# KiCad board PANEL5x4_COM_MOD.kicad_pcb (continued)
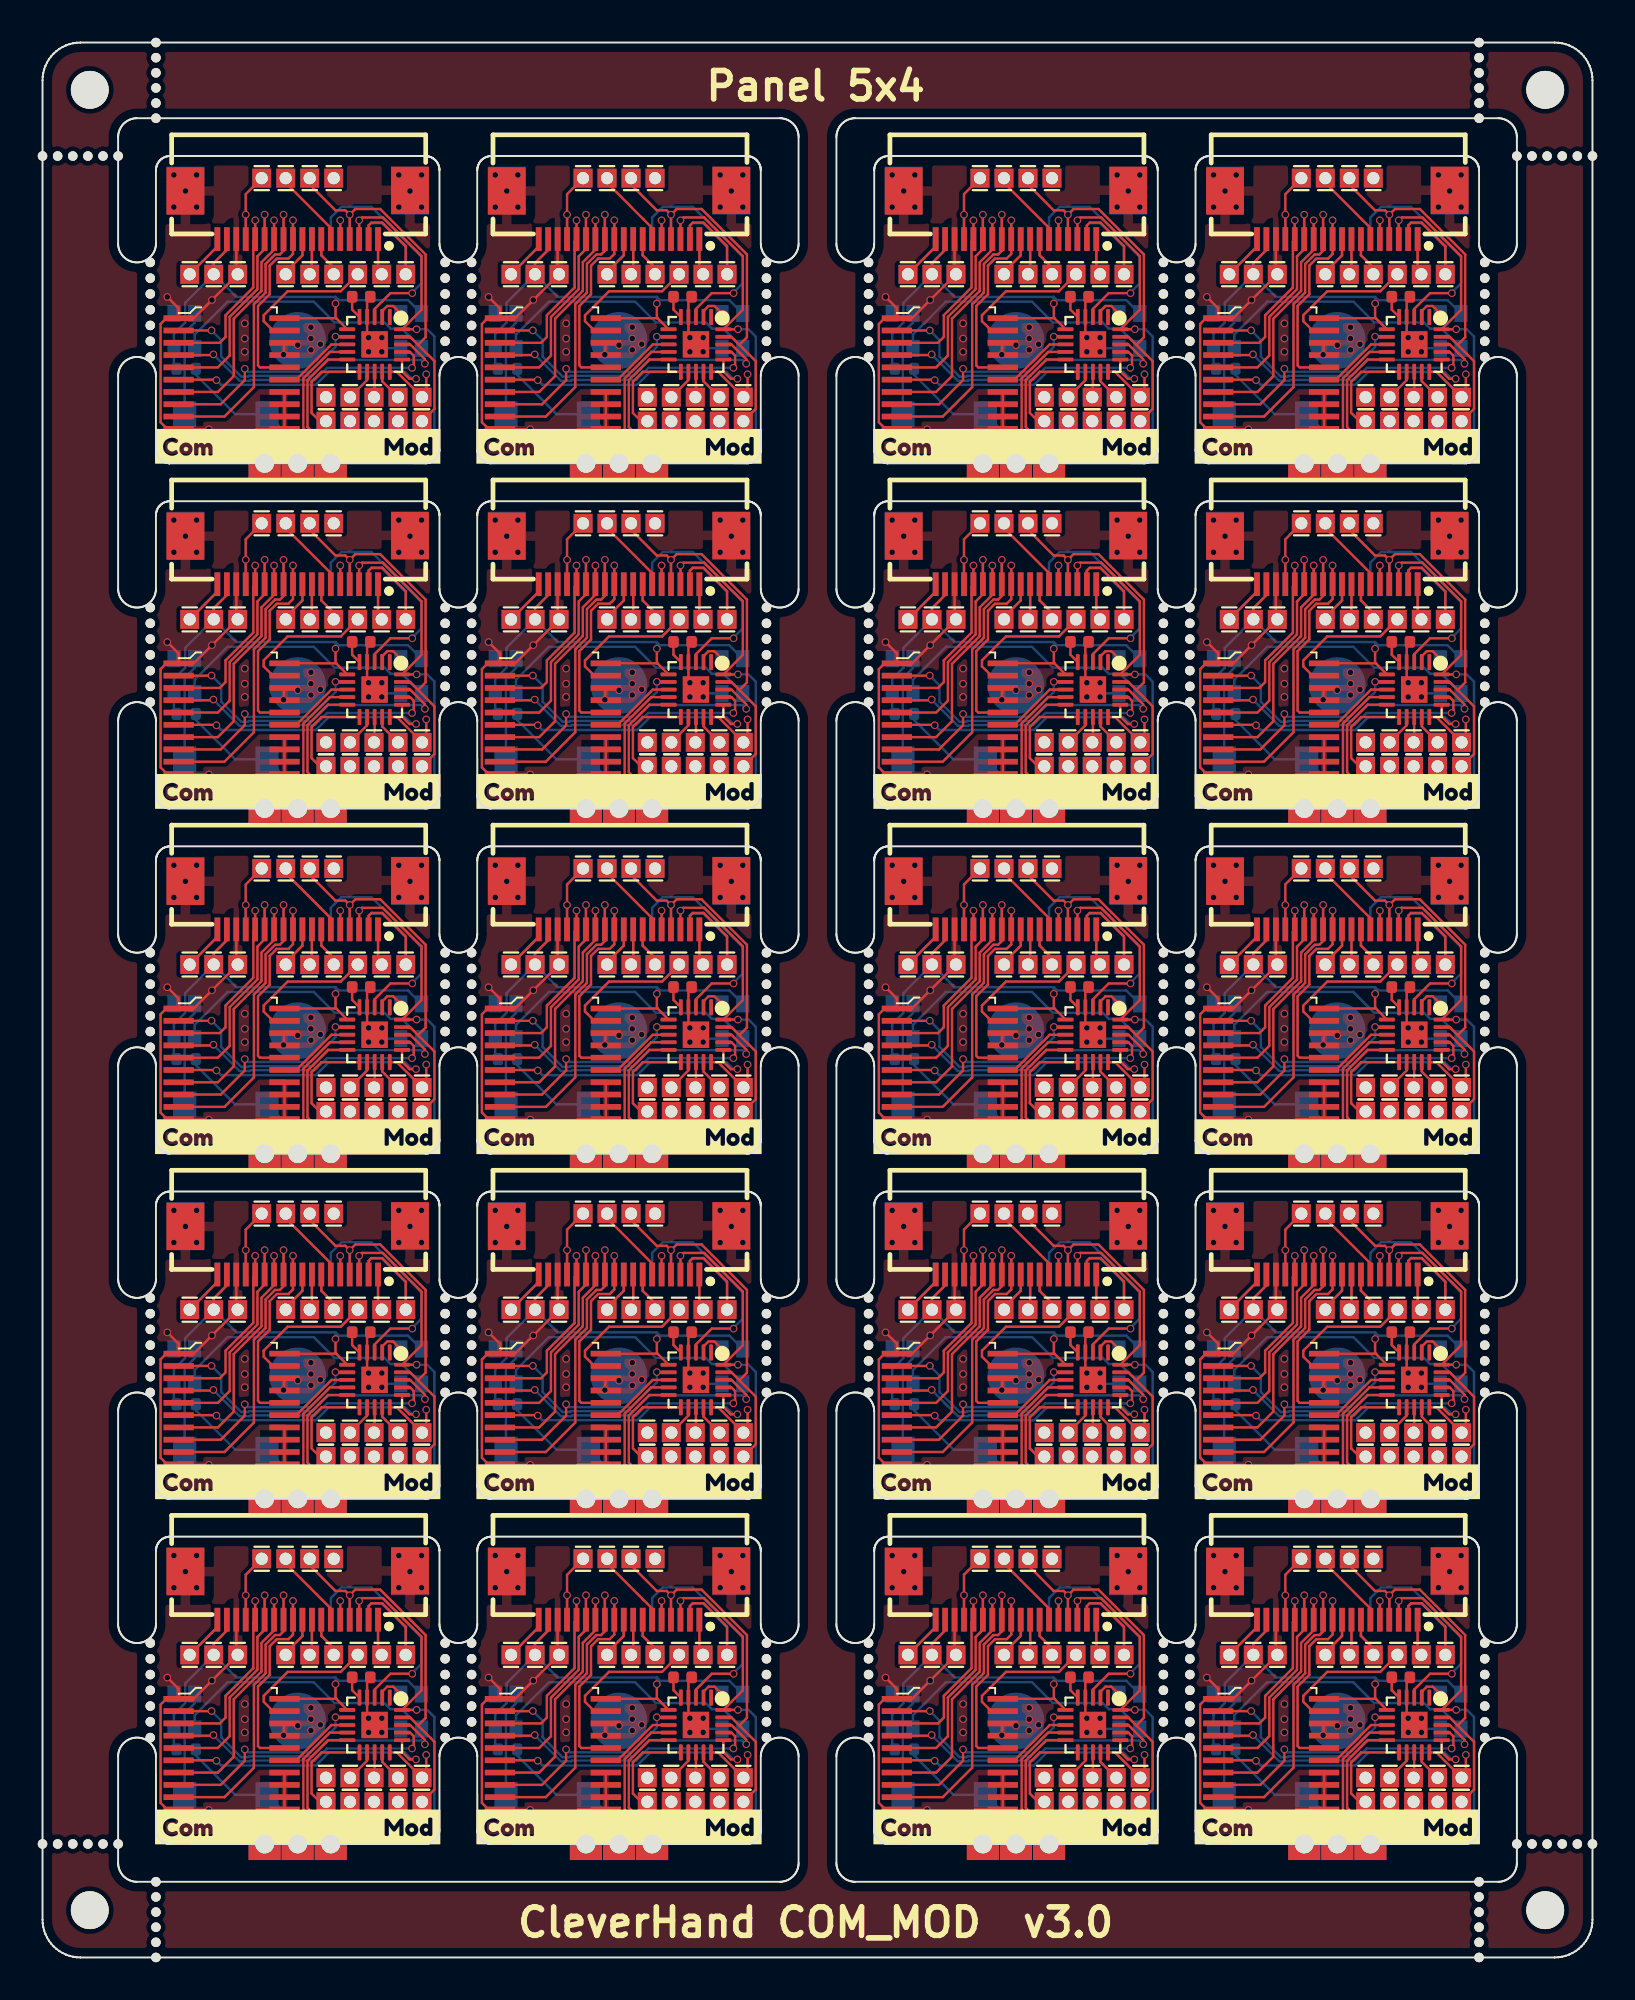
[diagram p0: board, top side]
## Placement (name value [footprint] x y rotation side) (continued)
J9#17  Conn_01x01_Pin  [PinHeader_1x01_P1.27mm_Vertical]  55.95 34.25 0 top
J9#18  Conn_01x01_Pin  [PinHeader_1x01_P1.27mm_Vertical]  17.95 89 0 top
J9#19  Conn_01x01_Pin  [PinHeader_1x01_P1.27mm_Vertical]  34.95 52.5 0 top
J9#20  Conn_01x01_Pin  [PinHeader_1x01_P1.27mm_Vertical]  17.95 52.5 0 top
J10  Conn_01x01_Pin  [PinHeader_1x01_P1.27mm_Vertical]  52.13 21.08 0 top
J10#2  Conn_01x01_Pin  [PinHeader_1x01_P1.27mm_Vertical]  69.14 75.83 0 top
J10#3  Conn_01x01_Pin  [PinHeader_1x01_P1.27mm_Vertical]  31.13 21.08 0 top
J10#4  Conn_01x01_Pin  [PinHeader_1x01_P1.27mm_Vertical]  52.13 57.58 0 top
J10#5  Conn_01x01_Pin  [PinHeader_1x01_P1.27mm_Vertical]  14.14 57.58 0 top
J10#6  Conn_01x01_Pin  [PinHeader_1x01_P1.27mm_Vertical]  69.14 21.08 0 top
J10#7  Conn_01x01_Pin  [PinHeader_1x01_P1.27mm_Vertical]  14.14 39.33 0 top
J10#8  Conn_01x01_Pin  [PinHeader_1x01_P1.27mm_Vertical]  14.14 94.08 0 top
J10#9  Conn_01x01_Pin  [PinHeader_1x01_P1.27mm_Vertical]  69.14 39.33 0 top
J10#10  Conn_01x01_Pin  [PinHeader_1x01_P1.27mm_Vertical]  69.14 94.08 0 top
J10#11  Conn_01x01_Pin  [PinHeader_1x01_P1.27mm_Vertical]  14.14 21.08 0 top
J10#12  Conn_01x01_Pin  [PinHeader_1x01_P1.27mm_Vertical]  31.13 94.08 0 top
J10#13  Conn_01x01_Pin  [PinHeader_1x01_P1.27mm_Vertical]  14.14 75.83 0 top
J10#14  Conn_01x01_Pin  [PinHeader_1x01_P1.27mm_Vertical]  31.13 57.58 0 top
J10#15  Conn_01x01_Pin  [PinHeader_1x01_P1.27mm_Vertical]  52.13 39.33 0 top
J10#16  Conn_01x01_Pin  [PinHeader_1x01_P1.27mm_Vertical]  31.13 39.33 0 top
J10#17  Conn_01x01_Pin  [PinHeader_1x01_P1.27mm_Vertical]  52.13 94.08 0 top
J10#18  Conn_01x01_Pin  [PinHeader_1x01_P1.27mm_Vertical]  31.13 75.83 0 top
J10#19  Conn_01x01_Pin  [PinHeader_1x01_P1.27mm_Vertical]  52.13 75.83 0 top
J10#20  Conn_01x01_Pin  [PinHeader_1x01_P1.27mm_Vertical]  69.14 57.58 0 top
J11  Conn_01x01_Pin  [PinHeader_1x01_P1.27mm_Vertical]  75.07 27.75 180 top
J11#2  Conn_01x01_Pin  [PinHeader_1x01_P1.27mm_Vertical]  75.07 46 180 top
J11#3  Conn_01x01_Pin  [PinHeader_1x01_P1.27mm_Vertical]  58.07 82.5 180 top
J11#4  Conn_01x01_Pin  [PinHeader_1x01_P1.27mm_Vertical]  20.07 9.5 180 top
J11#5  Conn_01x01_Pin  [PinHeader_1x01_P1.27mm_Vertical]  37.07 46 180 top
J11#6  Conn_01x01_Pin  [PinHeader_1x01_P1.27mm_Vertical]  58.07 9.5 180 top
J11#7  Conn_01x01_Pin  [PinHeader_1x01_P1.27mm_Vertical]  37.07 82.5 180 top
J11#8  Conn_01x01_Pin  [PinHeader_1x01_P1.27mm_Vertical]  58.07 46 180 top
J11#9  Conn_01x01_Pin  [PinHeader_1x01_P1.27mm_Vertical]  75.07 9.5 180 top
J11#10  Conn_01x01_Pin  [PinHeader_1x01_P1.27mm_Vertical]  20.07 82.5 180 top
J11#11  Conn_01x01_Pin  [PinHeader_1x01_P1.27mm_Vertical]  75.07 82.5 180 top
J11#12  Conn_01x01_Pin  [PinHeader_1x01_P1.27mm_Vertical]  20.07 46 180 top
J11#13  Conn_01x01_Pin  [PinHeader_1x01_P1.27mm_Vertical]  37.07 27.75 180 top
J11#14  Conn_01x01_Pin  [PinHeader_1x01_P1.27mm_Vertical]  58.07 27.75 180 top
J11#15  Conn_01x01_Pin  [PinHeader_1x01_P1.27mm_Vertical]  20.07 27.75 180 top
J11#16  Conn_01x01_Pin  [PinHeader_1x01_P1.27mm_Vertical]  58.07 64.25 180 top
J11#17  Conn_01x01_Pin  [PinHeader_1x01_P1.27mm_Vertical]  37.07 64.25 180 top
J11#18  Conn_01x01_Pin  [PinHeader_1x01_P1.27mm_Vertical]  75.07 64.25 180 top
J11#19  Conn_01x01_Pin  [PinHeader_1x01_P1.27mm_Vertical]  20.07 64.25 180 top
J11#20  Conn_01x01_Pin  [PinHeader_1x01_P1.27mm_Vertical]  37.07 9.5 180 top
J12  Conn_01x01_Pin  [PinHeader_1x01_P1.27mm_Vertical]  35.8 82.5 180 top
J12#2  Conn_01x01_Pin  [PinHeader_1x01_P1.27mm_Vertical]  18.8 9.5 180 top
J12#3  Conn_01x01_Pin  [PinHeader_1x01_P1.27mm_Vertical]  35.8 9.5 180 top
J12#4  Conn_01x01_Pin  [PinHeader_1x01_P1.27mm_Vertical]  35.8 27.75 180 top
J12#5  Conn_01x01_Pin  [PinHeader_1x01_P1.27mm_Vertical]  18.8 27.75 180 top
J12#6  Conn_01x01_Pin  [PinHeader_1x01_P1.27mm_Vertical]  18.8 64.25 180 top
J12#7  Conn_01x01_Pin  [PinHeader_1x01_P1.27mm_Vertical]  18.8 82.5 180 top
J12#8  Conn_01x01_Pin  [PinHeader_1x01_P1.27mm_Vertical]  73.8 82.5 180 top
J12#9  Conn_01x01_Pin  [PinHeader_1x01_P1.27mm_Vertical]  56.8 27.75 180 top
J12#10  Conn_01x01_Pin  [PinHeader_1x01_P1.27mm_Vertical]  56.8 9.5 180 top
J12#11  Conn_01x01_Pin  [PinHeader_1x01_P1.27mm_Vertical]  56.8 46 180 top
J12#12  Conn_01x01_Pin  [PinHeader_1x01_P1.27mm_Vertical]  73.8 64.25 180 top
J12#13  Conn_01x01_Pin  [PinHeader_1x01_P1.27mm_Vertical]  56.8 82.5 180 top
J12#14  Conn_01x01_Pin  [PinHeader_1x01_P1.27mm_Vertical]  18.8 46 180 top
J12#15  Conn_01x01_Pin  [PinHeader_1x01_P1.27mm_Vertical]  73.8 46 180 top
J12#16  Conn_01x01_Pin  [PinHeader_1x01_P1.27mm_Vertical]  56.8 64.25 180 top
J12#17  Conn_01x01_Pin  [PinHeader_1x01_P1.27mm_Vertical]  35.8 64.25 180 top
J12#18  Conn_01x01_Pin  [PinHeader_1x01_P1.27mm_Vertical]  35.8 46 180 top
J12#19  Conn_01x01_Pin  [PinHeader_1x01_P1.27mm_Vertical]  73.8 9.5 180 top
J12#20  Conn_01x01_Pin  [PinHeader_1x01_P1.27mm_Vertical]  73.8 27.75 180 top
J13  Conn_01x01_Pin  [PinHeader_1x01_P1.27mm_Vertical]  17.54 9.5 180 top
J13#2  Conn_01x01_Pin  [PinHeader_1x01_P1.27mm_Vertical]  72.53 9.5 180 top
J13#3  Conn_01x01_Pin  [PinHeader_1x01_P1.27mm_Vertical]  17.54 82.5 180 top
J13#4  Conn_01x01_Pin  [PinHeader_1x01_P1.27mm_Vertical]  34.53 27.75 180 top
J13#5  Conn_01x01_Pin  [PinHeader_1x01_P1.27mm_Vertical]  34.53 9.5 180 top
J13#6  Conn_01x01_Pin  [PinHeader_1x01_P1.27mm_Vertical]  72.53 64.25 180 top
J13#7  Conn_01x01_Pin  [PinHeader_1x01_P1.27mm_Vertical]  55.53 64.25 180 top
J13#8  Conn_01x01_Pin  [PinHeader_1x01_P1.27mm_Vertical]  72.53 27.75 180 top
J13#9  Conn_01x01_Pin  [PinHeader_1x01_P1.27mm_Vertical]  34.53 64.25 180 top
J13#10  Conn_01x01_Pin  [PinHeader_1x01_P1.27mm_Vertical]  17.54 64.25 180 top
J13#11  Conn_01x01_Pin  [PinHeader_1x01_P1.27mm_Vertical]  55.53 46 180 top
J13#12  Conn_01x01_Pin  [PinHeader_1x01_P1.27mm_Vertical]  55.53 9.5 180 top
J13#13  Conn_01x01_Pin  [PinHeader_1x01_P1.27mm_Vertical]  17.54 27.75 180 top
J13#14  Conn_01x01_Pin  [PinHeader_1x01_P1.27mm_Vertical]  34.53 46 180 top
J13#15  Conn_01x01_Pin  [PinHeader_1x01_P1.27mm_Vertical]  55.53 82.5 180 top
J13#16  Conn_01x01_Pin  [PinHeader_1x01_P1.27mm_Vertical]  72.53 82.5 180 top
J13#17  Conn_01x01_Pin  [PinHeader_1x01_P1.27mm_Vertical]  34.53 82.5 180 top
J13#18  Conn_01x01_Pin  [PinHeader_1x01_P1.27mm_Vertical]  72.53 46 180 top
J13#19  Conn_01x01_Pin  [PinHeader_1x01_P1.27mm_Vertical]  17.54 46 180 top
J13#20  Conn_01x01_Pin  [PinHeader_1x01_P1.27mm_Vertical]  55.53 27.75 180 top
J14  Conn_01x01_Pin  [PinHeader_1x01_P1.27mm_Vertical]  71.26 64.25 180 top
J14#2  Conn_01x01_Pin  [PinHeader_1x01_P1.27mm_Vertical]  54.26 82.5 180 top
J14#3  Conn_01x01_Pin  [PinHeader_1x01_P1.27mm_Vertical]  16.26 9.5 180 top
J14#4  Conn_01x01_Pin  [PinHeader_1x01_P1.27mm_Vertical]  71.26 82.5 180 top
J14#5  Conn_01x01_Pin  [PinHeader_1x01_P1.27mm_Vertical]  16.26 64.25 180 top
J14#6  Conn_01x01_Pin  [PinHeader_1x01_P1.27mm_Vertical]  16.26 82.5 180 top
J14#7  Conn_01x01_Pin  [PinHeader_1x01_P1.27mm_Vertical]  54.26 27.75 180 top
J14#8  Conn_01x01_Pin  [PinHeader_1x01_P1.27mm_Vertical]  33.26 27.75 180 top
J14#9  Conn_01x01_Pin  [PinHeader_1x01_P1.27mm_Vertical]  33.26 64.25 180 top
J14#10  Conn_01x01_Pin  [PinHeader_1x01_P1.27mm_Vertical]  33.26 82.5 180 top
J14#11  Conn_01x01_Pin  [PinHeader_1x01_P1.27mm_Vertical]  71.26 9.5 180 top
J14#12  Conn_01x01_Pin  [PinHeader_1x01_P1.27mm_Vertical]  16.26 46 180 top
J14#13  Conn_01x01_Pin  [PinHeader_1x01_P1.27mm_Vertical]  71.26 46 180 top
J14#14  Conn_01x01_Pin  [PinHeader_1x01_P1.27mm_Vertical]  54.26 9.5 180 top
J14#15  Conn_01x01_Pin  [PinHeader_1x01_P1.27mm_Vertical]  54.26 46 180 top
J14#16  Conn_01x01_Pin  [PinHeader_1x01_P1.27mm_Vertical]  54.26 64.25 180 top
J14#17  Conn_01x01_Pin  [PinHeader_1x01_P1.27mm_Vertical]  33.26 9.5 180 top
J14#18  Conn_01x01_Pin  [PinHeader_1x01_P1.27mm_Vertical]  33.26 46 180 top
J14#19  Conn_01x01_Pin  [PinHeader_1x01_P1.27mm_Vertical]  16.26 27.75 180 top
J14#20  Conn_01x01_Pin  [PinHeader_1x01_P1.27mm_Vertical]  71.26 27.75 180 top
J15  Conn_01x01_Pin  [PinHeader_1x01_P1.27mm_Vertical]  72.53 81.23 0 top
J15#2  Conn_01x01_Pin  [PinHeader_1x01_P1.27mm_Vertical]  17.53 8.23 0 top
J15#3  Conn_01x01_Pin  [PinHeader_1x01_P1.27mm_Vertical]  17.53 44.73 0 top
J15#4  Conn_01x01_Pin  [PinHeader_1x01_P1.27mm_Vertical]  34.53 8.23 0 top
J15#5  Conn_01x01_Pin  [PinHeader_1x01_P1.27mm_Vertical]  17.53 26.48 0 top
J15#6  Conn_01x01_Pin  [PinHeader_1x01_P1.27mm_Vertical]  72.53 62.98 0 top
J15#7  Conn_01x01_Pin  [PinHeader_1x01_P1.27mm_Vertical]  55.53 44.73 0 top
J15#8  Conn_01x01_Pin  [PinHeader_1x01_P1.27mm_Vertical]  72.53 44.73 0 top
J15#9  Conn_01x01_Pin  [PinHeader_1x01_P1.27mm_Vertical]  34.53 26.48 0 top
J15#10  Conn_01x01_Pin  [PinHeader_1x01_P1.27mm_Vertical]  72.53 26.48 0 top
J15#11  Conn_01x01_Pin  [PinHeader_1x01_P1.27mm_Vertical]  55.53 26.48 0 top
J15#12  Conn_01x01_Pin  [PinHeader_1x01_P1.27mm_Vertical]  34.53 62.98 0 top
J15#13  Conn_01x01_Pin  [PinHeader_1x01_P1.27mm_Vertical]  55.53 62.98 0 top
J15#14  Conn_01x01_Pin  [PinHeader_1x01_P1.27mm_Vertical]  17.53 62.98 0 top
J15#15  Conn_01x01_Pin  [PinHeader_1x01_P1.27mm_Vertical]  17.53 81.23 0 top
J15#16  Conn_01x01_Pin  [PinHeader_1x01_P1.27mm_Vertical]  34.53 81.23 0 top
J15#17  Conn_01x01_Pin  [PinHeader_1x01_P1.27mm_Vertical]  55.53 8.23 0 top
J15#18  Conn_01x01_Pin  [PinHeader_1x01_P1.27mm_Vertical]  72.53 8.23 0 top
J15#19  Conn_01x01_Pin  [PinHeader_1x01_P1.27mm_Vertical]  34.53 44.73 0 top
J15#20  Conn_01x01_Pin  [PinHeader_1x01_P1.27mm_Vertical]  55.53 81.23 0 top
J16  Conn_01x01_Pin  [PinHeader_1x01_P1.27mm_Vertical]  73.8 81.23 0 top
J16#2  Conn_01x01_Pin  [PinHeader_1x01_P1.27mm_Vertical]  56.8 26.48 0 top
J16#3  Conn_01x01_Pin  [PinHeader_1x01_P1.27mm_Vertical]  18.8 8.23 0 top
J16#4  Conn_01x01_Pin  [PinHeader_1x01_P1.27mm_Vertical]  18.8 81.23 0 top
J16#5  Conn_01x01_Pin  [PinHeader_1x01_P1.27mm_Vertical]  35.8 62.98 0 top
J16#6  Conn_01x01_Pin  [PinHeader_1x01_P1.27mm_Vertical]  35.8 26.48 0 top
J16#7  Conn_01x01_Pin  [PinHeader_1x01_P1.27mm_Vertical]  73.8 26.48 0 top
J16#8  Conn_01x01_Pin  [PinHeader_1x01_P1.27mm_Vertical]  35.8 44.73 0 top
J16#9  Conn_01x01_Pin  [PinHeader_1x01_P1.27mm_Vertical]  56.8 8.23 0 top
J16#10  Conn_01x01_Pin  [PinHeader_1x01_P1.27mm_Vertical]  18.8 44.73 0 top
J16#11  Conn_01x01_Pin  [PinHeader_1x01_P1.27mm_Vertical]  35.8 81.23 0 top
J16#12  Conn_01x01_Pin  [PinHeader_1x01_P1.27mm_Vertical]  56.8 81.23 0 top
J16#13  Conn_01x01_Pin  [PinHeader_1x01_P1.27mm_Vertical]  73.8 44.73 0 top
J16#14  Conn_01x01_Pin  [PinHeader_1x01_P1.27mm_Vertical]  35.8 8.23 0 top
J16#15  Conn_01x01_Pin  [PinHeader_1x01_P1.27mm_Vertical]  73.8 62.98 0 top
J16#16  Conn_01x01_Pin  [PinHeader_1x01_P1.27mm_Vertical]  73.8 8.23 0 top
J16#17  Conn_01x01_Pin  [PinHeader_1x01_P1.27mm_Vertical]  18.8 26.48 0 top
J16#18  Conn_01x01_Pin  [PinHeader_1x01_P1.27mm_Vertical]  56.8 62.98 0 top
J16#19  Conn_01x01_Pin  [PinHeader_1x01_P1.27mm_Vertical]  56.8 44.73 0 top
J16#20  Conn_01x01_Pin  [PinHeader_1x01_P1.27mm_Vertical]  18.8 62.98 0 top
J17  Conn_01x01_Pin  [PinHeader_1x01_P1.27mm_Vertical]  37.07 8.23 0 top
J17#2  Conn_01x01_Pin  [PinHeader_1x01_P1.27mm_Vertical]  20.07 81.23 0 top
J17#3  Conn_01x01_Pin  [PinHeader_1x01_P1.27mm_Vertical]  37.07 81.23 0 top
J17#4  Conn_01x01_Pin  [PinHeader_1x01_P1.27mm_Vertical]  20.07 8.23 0 top
J17#5  Conn_01x01_Pin  [PinHeader_1x01_P1.27mm_Vertical]  37.07 62.98 0 top
J17#6  Conn_01x01_Pin  [PinHeader_1x01_P1.27mm_Vertical]  75.07 44.73 0 top
J17#7  Conn_01x01_Pin  [PinHeader_1x01_P1.27mm_Vertical]  75.07 26.48 0 top
J17#8  Conn_01x01_Pin  [PinHeader_1x01_P1.27mm_Vertical]  20.07 44.73 0 top
J17#9  Conn_01x01_Pin  [PinHeader_1x01_P1.27mm_Vertical]  58.07 26.48 0 top
J17#10  Conn_01x01_Pin  [PinHeader_1x01_P1.27mm_Vertical]  58.07 44.73 0 top
J17#11  Conn_01x01_Pin  [PinHeader_1x01_P1.27mm_Vertical]  75.07 81.23 0 top
J17#12  Conn_01x01_Pin  [PinHeader_1x01_P1.27mm_Vertical]  75.07 62.98 0 top
J17#13  Conn_01x01_Pin  [PinHeader_1x01_P1.27mm_Vertical]  37.07 44.73 0 top
J17#14  Conn_01x01_Pin  [PinHeader_1x01_P1.27mm_Vertical]  58.07 62.98 0 top
J17#15  Conn_01x01_Pin  [PinHeader_1x01_P1.27mm_Vertical]  75.07 8.23 0 top
J17#16  Conn_01x01_Pin  [PinHeader_1x01_P1.27mm_Vertical]  37.07 26.48 0 top
J17#17  Conn_01x01_Pin  [PinHeader_1x01_P1.27mm_Vertical]  58.07 81.23 0 top
J17#18  Conn_01x01_Pin  [PinHeader_1x01_P1.27mm_Vertical]  20.07 62.98 0 top
J17#19  Conn_01x01_Pin  [PinHeader_1x01_P1.27mm_Vertical]  20.07 26.48 0 top
J17#20  Conn_01x01_Pin  [PinHeader_1x01_P1.27mm_Vertical]  58.07 8.23 0 top
J18  Conn_01x01_Pin  [PinHeader_1x01_P1.27mm_Vertical]  31.99 8.23 0 top
J18#2  Conn_01x01_Pin  [PinHeader_1x01_P1.27mm_Vertical]  31.99 26.48 0 top
J18#3  Conn_01x01_Pin  [PinHeader_1x01_P1.27mm_Vertical]  69.99 81.23 0 top
J18#4  Conn_01x01_Pin  [PinHeader_1x01_P1.27mm_Vertical]  52.99 26.48 0 top
J18#5  Conn_01x01_Pin  [PinHeader_1x01_P1.27mm_Vertical]  69.99 62.98 0 top
J18#6  Conn_01x01_Pin  [PinHeader_1x01_P1.27mm_Vertical]  69.99 26.48 0 top
J18#7  Conn_01x01_Pin  [PinHeader_1x01_P1.27mm_Vertical]  52.99 81.23 0 top
J18#8  Conn_01x01_Pin  [PinHeader_1x01_P1.27mm_Vertical]  52.99 44.73 0 top
J18#9  Conn_01x01_Pin  [PinHeader_1x01_P1.27mm_Vertical]  52.99 62.98 0 top
J18#10  Conn_01x01_Pin  [PinHeader_1x01_P1.27mm_Vertical]  14.99 26.48 0 top
J18#11  Conn_01x01_Pin  [PinHeader_1x01_P1.27mm_Vertical]  69.99 44.73 0 top
J18#12  Conn_01x01_Pin  [PinHeader_1x01_P1.27mm_Vertical]  14.99 81.23 0 top
J18#13  Conn_01x01_Pin  [PinHeader_1x01_P1.27mm_Vertical]  52.99 8.23 0 top
J18#14  Conn_01x01_Pin  [PinHeader_1x01_P1.27mm_Vertical]  14.99 44.73 0 top
J18#15  Conn_01x01_Pin  [PinHeader_1x01_P1.27mm_Vertical]  14.99 62.98 0 top
J18#16  Conn_01x01_Pin  [PinHeader_1x01_P1.27mm_Vertical]  31.99 62.98 0 top
J18#17  Conn_01x01_Pin  [PinHeader_1x01_P1.27mm_Vertical]  31.99 44.73 0 top
J18#18  Conn_01x01_Pin  [PinHeader_1x01_P1.27mm_Vertical]  31.99 81.23 0 top
J18#19  Conn_01x01_Pin  [PinHeader_1x01_P1.27mm_Vertical]  69.99 8.23 0 top
J18#20  Conn_01x01_Pin  [PinHeader_1x01_P1.27mm_Vertical]  14.99 8.23 0 top
J19  Conn_01x01_Pin  [PinHeader_1x01_P1.27mm_Vertical]  7.78 52.5 0 top
J19#2  Conn_01x01_Pin  [PinHeader_1x01_P1.27mm_Vertical]  45.78 70.75 0 top
J19#3  Conn_01x01_Pin  [PinHeader_1x01_P1.27mm_Vertical]  45.78 34.25 0 top
J19#4  Conn_01x01_Pin  [PinHeader_1x01_P1.27mm_Vertical]  62.78 52.5 0 top
J19#5  Conn_01x01_Pin  [PinHeader_1x01_P1.27mm_Vertical]  62.78 16 0 top
J19#6  Conn_01x01_Pin  [PinHeader_1x01_P1.27mm_Vertical]  45.78 16 0 top
J19#7  Conn_01x01_Pin  [PinHeader_1x01_P1.27mm_Vertical]  45.78 89 0 top
J19#8  Conn_01x01_Pin  [PinHeader_1x01_P1.27mm_Vertical]  62.78 89 0 top
J19#9  Conn_01x01_Pin  [PinHeader_1x01_P1.27mm_Vertical]  7.78 16 0 top
J19#10  Conn_01x01_Pin  [PinHeader_1x01_P1.27mm_Vertical]  24.79 16 0 top
J19#11  Conn_01x01_Pin  [PinHeader_1x01_P1.27mm_Vertical]  7.78 70.75 0 top
J19#12  Conn_01x01_Pin  [PinHeader_1x01_P1.27mm_Vertical]  24.79 70.75 0 top
J19#13  Conn_01x01_Pin  [PinHeader_1x01_P1.27mm_Vertical]  45.78 52.5 0 top
J19#14  Conn_01x01_Pin  [PinHeader_1x01_P1.27mm_Vertical]  62.78 70.75 0 top
J19#15  Conn_01x01_Pin  [PinHeader_1x01_P1.27mm_Vertical]  62.78 34.25 0 top
J19#16  Conn_01x01_Pin  [PinHeader_1x01_P1.27mm_Vertical]  7.78 34.25 0 top
J19#17  Conn_01x01_Pin  [PinHeader_1x01_P1.27mm_Vertical]  24.79 89 0 top
J19#18  Conn_01x01_Pin  [PinHeader_1x01_P1.27mm_Vertical]  24.79 52.5 0 top
J19#19  Conn_01x01_Pin  [PinHeader_1x01_P1.27mm_Vertical]  24.79 34.25 0 top
J19#20  Conn_01x01_Pin  [PinHeader_1x01_P1.27mm_Vertical]  7.78 89 0 top
J20  Conn_01x01_Pin  [PinHeader_1x01_P1.27mm_Vertical]  19.21 89 0 top
J20#2  Conn_01x01_Pin  [PinHeader_1x01_P1.27mm_Vertical]  57.22 70.75 0 top
J20#3  Conn_01x01_Pin  [PinHeader_1x01_P1.27mm_Vertical]  19.21 34.25 0 top
J20#4  Conn_01x01_Pin  [PinHeader_1x01_P1.27mm_Vertical]  36.22 34.25 0 top
J20#5  Conn_01x01_Pin  [PinHeader_1x01_P1.27mm_Vertical]  57.22 89 0 top
J20#6  Conn_01x01_Pin  [PinHeader_1x01_P1.27mm_Vertical]  36.22 52.5 0 top
J20#7  Conn_01x01_Pin  [PinHeader_1x01_P1.27mm_Vertical]  74.22 89 0 top
J20#8  Conn_01x01_Pin  [PinHeader_1x01_P1.27mm_Vertical]  74.22 16 0 top
J20#9  Conn_01x01_Pin  [PinHeader_1x01_P1.27mm_Vertical]  74.22 34.25 0 top
J20#10  Conn_01x01_Pin  [PinHeader_1x01_P1.27mm_Vertical]  19.21 16 0 top
J20#11  Conn_01x01_Pin  [PinHeader_1x01_P1.27mm_Vertical]  19.21 52.5 0 top
J20#12  Conn_01x01_Pin  [PinHeader_1x01_P1.27mm_Vertical]  57.22 16 0 top
J20#13  Conn_01x01_Pin  [PinHeader_1x01_P1.27mm_Vertical]  74.22 52.5 0 top
J20#14  Conn_01x01_Pin  [PinHeader_1x01_P1.27mm_Vertical]  36.22 89 0 top
J20#15  Conn_01x01_Pin  [PinHeader_1x01_P1.27mm_Vertical]  19.21 70.75 0 top
J20#16  Conn_01x01_Pin  [PinHeader_1x01_P1.27mm_Vertical]  57.22 52.5 0 top
J20#17  Conn_01x01_Pin  [PinHeader_1x01_P1.27mm_Vertical]  36.22 70.75 0 top
J20#18  Conn_01x01_Pin  [PinHeader_1x01_P1.27mm_Vertical]  74.22 70.75 0 top
J20#19  Conn_01x01_Pin  [PinHeader_1x01_P1.27mm_Vertical]  57.22 34.25 0 top
J20#20  Conn_01x01_Pin  [PinHeader_1x01_P1.27mm_Vertical]  36.22 16 0 top
J21  Conn_01x01_Pin  [PinHeader_1x01_P1.27mm_Vertical]  33.26 62.98 0 top
J21#2  Conn_01x01_Pin  [PinHeader_1x01_P1.27mm_Vertical]  71.26 81.23 0 top
J21#3  Conn_01x01_Pin  [PinHeader_1x01_P1.27mm_Vertical]  54.26 62.98 0 top
J21#4  Conn_01x01_Pin  [PinHeader_1x01_P1.27mm_Vertical]  71.26 44.73 0 top
J21#5  Conn_01x01_Pin  [PinHeader_1x01_P1.27mm_Vertical]  54.26 44.73 0 top
J21#6  Conn_01x01_Pin  [PinHeader_1x01_P1.27mm_Vertical]  33.26 26.48 0 top
J21#7  Conn_01x01_Pin  [PinHeader_1x01_P1.27mm_Vertical]  71.26 26.48 0 top
J21#8  Conn_01x01_Pin  [PinHeader_1x01_P1.27mm_Vertical]  54.26 8.23 0 top
J21#9  Conn_01x01_Pin  [PinHeader_1x01_P1.27mm_Vertical]  33.26 81.23 0 top
J21#10  Conn_01x01_Pin  [PinHeader_1x01_P1.27mm_Vertical]  16.26 44.73 0 top
J21#11  Conn_01x01_Pin  [PinHeader_1x01_P1.27mm_Vertical]  16.26 62.98 0 top
J21#12  Conn_01x01_Pin  [PinHeader_1x01_P1.27mm_Vertical]  16.26 81.23 0 top
J21#13  Conn_01x01_Pin  [PinHeader_1x01_P1.27mm_Vertical]  54.26 81.23 0 top
J21#14  Conn_01x01_Pin  [PinHeader_1x01_P1.27mm_Vertical]  33.26 8.23 0 top
J21#15  Conn_01x01_Pin  [PinHeader_1x01_P1.27mm_Vertical]  54.26 26.48 0 top
J21#16  Conn_01x01_Pin  [PinHeader_1x01_P1.27mm_Vertical]  16.26 8.23 0 top
J21#17  Conn_01x01_Pin  [PinHeader_1x01_P1.27mm_Vertical]  71.26 8.23 0 top
J21#18  Conn_01x01_Pin  [PinHeader_1x01_P1.27mm_Vertical]  16.26 26.48 0 top
J21#19  Conn_01x01_Pin  [PinHeader_1x01_P1.27mm_Vertical]  33.26 44.73 0 top
J21#20  Conn_01x01_Pin  [PinHeader_1x01_P1.27mm_Vertical]  71.26 62.98 0 top
J22  Conn_01x01_Pin  [PinHeader_1x01_P1.27mm_Vertical]  31.99 82.5 0 top
J22#2  Conn_01x01_Pin  [PinHeader_1x01_P1.27mm_Vertical]  31.99 64.25 0 top
J22#3  Conn_01x01_Pin  [PinHeader_1x01_P1.27mm_Vertical]  52.99 9.5 0 top
J22#4  Conn_01x01_Pin  [PinHeader_1x01_P1.27mm_Vertical]  69.99 64.25 0 top
J22#5  Conn_01x01_Pin  [PinHeader_1x01_P1.27mm_Vertical]  52.99 27.75 0 top
J22#6  Conn_01x01_Pin  [PinHeader_1x01_P1.27mm_Vertical]  14.99 27.75 0 top
J22#7  Conn_01x01_Pin  [PinHeader_1x01_P1.27mm_Vertical]  31.99 9.5 0 top
J22#8  Conn_01x01_Pin  [PinHeader_1x01_P1.27mm_Vertical]  52.99 64.25 0 top
J22#9  Conn_01x01_Pin  [PinHeader_1x01_P1.27mm_Vertical]  14.99 46 0 top
J22#10  Conn_01x01_Pin  [PinHeader_1x01_P1.27mm_Vertical]  69.99 9.5 0 top
J22#11  Conn_01x01_Pin  [PinHeader_1x01_P1.27mm_Vertical]  69.99 82.5 0 top
J22#12  Conn_01x01_Pin  [PinHeader_1x01_P1.27mm_Vertical]  52.99 82.5 0 top
J22#13  Conn_01x01_Pin  [PinHeader_1x01_P1.27mm_Vertical]  69.99 27.75 0 top
J22#14  Conn_01x01_Pin  [PinHeader_1x01_P1.27mm_Vertical]  14.99 64.25 0 top
J22#15  Conn_01x01_Pin  [PinHeader_1x01_P1.27mm_Vertical]  31.99 27.75 0 top
J22#16  Conn_01x01_Pin  [PinHeader_1x01_P1.27mm_Vertical]  14.99 82.5 0 top
J22#17  Conn_01x01_Pin  [PinHeader_1x01_P1.27mm_Vertical]  14.99 9.5 0 top
J22#18  Conn_01x01_Pin  [PinHeader_1x01_P1.27mm_Vertical]  52.99 46 0 top
J22#19  Conn_01x01_Pin  [PinHeader_1x01_P1.27mm_Vertical]  31.99 46 0 top
J22#20  Conn_01x01_Pin  [PinHeader_1x01_P1.27mm_Vertical]  69.99 46 0 top
J23  Conn_01x01_Pin  [PinHeader_1x01_P1.27mm_Vertical]  53.41 75.83 0 top
J23#2  Conn_01x01_Pin  [PinHeader_1x01_P1.27mm_Vertical]  15.41 39.33 0 top
J23#3  Conn_01x01_Pin  [PinHeader_1x01_P1.27mm_Vertical]  32.41 57.58 0 top
J23#4  Conn_01x01_Pin  [PinHeader_1x01_P1.27mm_Vertical]  32.41 39.33 0 top
J23#5  Conn_01x01_Pin  [PinHeader_1x01_P1.27mm_Vertical]  32.41 21.08 0 top
J23#6  Conn_01x01_Pin  [PinHeader_1x01_P1.27mm_Vertical]  32.41 75.83 0 top
J23#7  Conn_01x01_Pin  [PinHeader_1x01_P1.27mm_Vertical]  15.41 94.08 0 top
J23#8  Conn_01x01_Pin  [PinHeader_1x01_P1.27mm_Vertical]  70.41 94.08 0 top
J23#9  Conn_01x01_Pin  [PinHeader_1x01_P1.27mm_Vertical]  53.41 39.33 0 top
J23#10  Conn_01x01_Pin  [PinHeader_1x01_P1.27mm_Vertical]  70.41 39.33 0 top
J23#11  Conn_01x01_Pin  [PinHeader_1x01_P1.27mm_Vertical]  15.41 57.58 0 top
J23#12  Conn_01x01_Pin  [PinHeader_1x01_P1.27mm_Vertical]  53.41 57.58 0 top
J23#13  Conn_01x01_Pin  [PinHeader_1x01_P1.27mm_Vertical]  15.41 21.08 0 top
J23#14  Conn_01x01_Pin  [PinHeader_1x01_P1.27mm_Vertical]  32.41 94.08 0 top
J23#15  Conn_01x01_Pin  [PinHeader_1x01_P1.27mm_Vertical]  70.41 57.58 0 top
J23#16  Conn_01x01_Pin  [PinHeader_1x01_P1.27mm_Vertical]  70.41 75.83 0 top
J23#17  Conn_01x01_Pin  [PinHeader_1x01_P1.27mm_Vertical]  15.41 75.83 0 top
J23#18  Conn_01x01_Pin  [PinHeader_1x01_P1.27mm_Vertical]  53.41 21.08 0 top
J23#19  Conn_01x01_Pin  [PinHeader_1x01_P1.27mm_Vertical]  53.41 94.08 0 top
J23#20  Conn_01x01_Pin  [PinHeader_1x01_P1.27mm_Vertical]  70.41 21.08 0 top
J24  Conn_01x01_Pin  [PinSocket_1x01_P2.54mm_Vertical]  11.75 24.25 0 top
J24#2  Conn_01x01_Pin  [PinSocket_1x01_P2.54mm_Vertical]  11.75 79 0 top
J24#3  Conn_01x01_Pin  [PinSocket_1x01_P2.54mm_Vertical]  66.75 24.25 0 top
J24#4  Conn_01x01_Pin  [PinSocket_1x01_P2.54mm_Vertical]  49.75 6 0 top
J24#5  Conn_01x01_Pin  [PinSocket_1x01_P2.54mm_Vertical]  11.75 42.5 0 top
J24#6  Conn_01x01_Pin  [PinSocket_1x01_P2.54mm_Vertical]  28.75 24.25 0 top
J24#7  Conn_01x01_Pin  [PinSocket_1x01_P2.54mm_Vertical]  66.75 42.5 0 top
J24#8  Conn_01x01_Pin  [PinSocket_1x01_P2.54mm_Vertical]  66.75 6 0 top
J24#9  Conn_01x01_Pin  [PinSocket_1x01_P2.54mm_Vertical]  28.75 42.5 0 top
J24#10  Conn_01x01_Pin  [PinSocket_1x01_P2.54mm_Vertical]  49.75 42.5 0 top
J24#11  Conn_01x01_Pin  [PinSocket_1x01_P2.54mm_Vertical]  49.75 60.75 0 top
J24#12  Conn_01x01_Pin  [PinSocket_1x01_P2.54mm_Vertical]  28.75 60.75 0 top
J24#13  Conn_01x01_Pin  [PinSocket_1x01_P2.54mm_Vertical]  49.75 79 0 top
J24#14  Conn_01x01_Pin  [PinSocket_1x01_P2.54mm_Vertical]  28.75 6 0 top
J24#15  Conn_01x01_Pin  [PinSocket_1x01_P2.54mm_Vertical]  11.75 6 0 top
J24#16  Conn_01x01_Pin  [PinSocket_1x01_P2.54mm_Vertical]  66.75 79 0 top
J24#17  Conn_01x01_Pin  [PinSocket_1x01_P2.54mm_Vertical]  66.75 60.75 0 top
J24#18  Conn_01x01_Pin  [PinSocket_1x01_P2.54mm_Vertical]  49.75 24.25 0 top
J24#19  Conn_01x01_Pin  [PinSocket_1x01_P2.54mm_Vertical]  28.75 79 0 top
J24#20  Conn_01x01_Pin  [PinSocket_1x01_P2.54mm_Vertical]  11.75 60.75 0 top
J25  Conn_01x01_Pin  [PinSocket_1x01_P2.54mm_Vertical]  32.25 60.75 0 top
J25#2  Conn_01x01_Pin  [PinSocket_1x01_P2.54mm_Vertical]  32.25 24.25 0 top
J25#3  Conn_01x01_Pin  [PinSocket_1x01_P2.54mm_Vertical]  70.25 60.75 0 top
J25#4  Conn_01x01_Pin  [PinSocket_1x01_P2.54mm_Vertical]  53.25 6 0 top
J25#5  Conn_01x01_Pin  [PinSocket_1x01_P2.54mm_Vertical]  15.25 60.75 0 top
J25#6  Conn_01x01_Pin  [PinSocket_1x01_P2.54mm_Vertical]  53.25 42.5 0 top
J25#7  Conn_01x01_Pin  [PinSocket_1x01_P2.54mm_Vertical]  70.25 79 0 top
J25#8  Conn_01x01_Pin  [PinSocket_1x01_P2.54mm_Vertical]  53.25 60.75 0 top
J25#9  Conn_01x01_Pin  [PinSocket_1x01_P2.54mm_Vertical]  32.25 42.5 0 top
J25#10  Conn_01x01_Pin  [PinSocket_1x01_P2.54mm_Vertical]  70.25 6 0 top
J25#11  Conn_01x01_Pin  [PinSocket_1x01_P2.54mm_Vertical]  70.25 24.25 0 top
J25#12  Conn_01x01_Pin  [PinSocket_1x01_P2.54mm_Vertical]  15.25 42.5 0 top
J25#13  Conn_01x01_Pin  [PinSocket_1x01_P2.54mm_Vertical]  15.25 24.25 0 top
J25#14  Conn_01x01_Pin  [PinSocket_1x01_P2.54mm_Vertical]  53.25 79 0 top
J25#15  Conn_01x01_Pin  [PinSocket_1x01_P2.54mm_Vertical]  15.25 6 0 top
J25#16  Conn_01x01_Pin  [PinSocket_1x01_P2.54mm_Vertical]  32.25 6 0 top
J25#17  Conn_01x01_Pin  [PinSocket_1x01_P2.54mm_Vertical]  70.25 42.5 0 top
J25#18  Conn_01x01_Pin  [PinSocket_1x01_P2.54mm_Vertical]  15.25 79 0 top
J25#19  Conn_01x01_Pin  [PinSocket_1x01_P2.54mm_Vertical]  32.25 79 0 top
J25#20  Conn_01x01_Pin  [PinSocket_1x01_P2.54mm_Vertical]  53.25 24.25 0 top
J26  Conn_01x01_Pin  [PinSocket_1x01_P2.54mm_Vertical]  68.5 6 0 top
J26#2  Conn_01x01_Pin  [PinSocket_1x01_P2.54mm_Vertical]  51.5 6 0 top
J26#3  Conn_01x01_Pin  [PinSocket_1x01_P2.54mm_Vertical]  30.5 6 0 top
J26#4  Conn_01x01_Pin  [PinSocket_1x01_P2.54mm_Vertical]  13.5 79 0 top
J26#5  Conn_01x01_Pin  [PinSocket_1x01_P2.54mm_Vertical]  68.5 60.75 0 top
J26#6  Conn_01x01_Pin  [PinSocket_1x01_P2.54mm_Vertical]  68.5 42.5 0 top
J26#7  Conn_01x01_Pin  [PinSocket_1x01_P2.54mm_Vertical]  51.5 79 0 top
J26#8  Conn_01x01_Pin  [PinSocket_1x01_P2.54mm_Vertical]  13.5 6 0 top
J26#9  Conn_01x01_Pin  [PinSocket_1x01_P2.54mm_Vertical]  30.5 24.25 0 top
J26#10  Conn_01x01_Pin  [PinSocket_1x01_P2.54mm_Vertical]  13.5 60.75 0 top
J26#11  Conn_01x01_Pin  [PinSocket_1x01_P2.54mm_Vertical]  30.5 60.75 0 top
J26#12  Conn_01x01_Pin  [PinSocket_1x01_P2.54mm_Vertical]  51.5 42.5 0 top
J26#13  Conn_01x01_Pin  [PinSocket_1x01_P2.54mm_Vertical]  51.5 60.75 0 top
J26#14  Conn_01x01_Pin  [PinSocket_1x01_P2.54mm_Vertical]  30.5 79 0 top
J26#15  Conn_01x01_Pin  [PinSocket_1x01_P2.54mm_Vertical]  51.5 24.25 0 top
J26#16  Conn_01x01_Pin  [PinSocket_1x01_P2.54mm_Vertical]  13.5 24.25 0 top
J26#17  Conn_01x01_Pin  [PinSocket_1x01_P2.54mm_Vertical]  30.5 42.5 0 top
J26#18  Conn_01x01_Pin  [PinSocket_1x01_P2.54mm_Vertical]  68.5 24.25 0 top
J26#19  Conn_01x01_Pin  [PinSocket_1x01_P2.54mm_Vertical]  68.5 79 0 top
J26#20  Conn_01x01_Pin  [PinSocket_1x01_P2.54mm_Vertical]  13.5 42.5 0 top
kibuzzard-658C3FF8  G***  [kibuzzard-658C3FF8]  13.5 61.65 0 top
kibuzzard-658C3FF8#2  G***  [kibuzzard-658C3FF8]  51.5 79.9 0 top
kibuzzard-658C3FF8#3  G***  [kibuzzard-658C3FF8]  51.5 6.9 0 top
kibuzzard-658C3FF8#4  G***  [kibuzzard-658C3FF8]  68.5 61.65 0 top
kibuzzard-658C3FF8#5  G***  [kibuzzard-658C3FF8]  51.5 43.4 0 top
kibuzzard-658C3FF8#6  G***  [kibuzzard-658C3FF8]  13.5 6.9 0 top
kibuzzard-658C3FF8#7  G***  [kibuzzard-658C3FF8]  68.5 43.4 0 top
kibuzzard-658C3FF8#8  G***  [kibuzzard-658C3FF8]  13.5 25.15 0 top
kibuzzard-658C3FF8#9  G***  [kibuzzard-658C3FF8]  51.5 61.65 0 top
kibuzzard-658C3FF8#10  G***  [kibuzzard-658C3FF8]  51.5 25.15 0 top
kibuzzard-658C3FF8#11  G***  [kibuzzard-658C3FF8]  30.5 43.4 0 top
kibuzzard-658C3FF8#12  G***  [kibuzzard-658C3FF8]  13.5 79.9 0 top
kibuzzard-658C3FF8#13  G***  [kibuzzard-658C3FF8]  68.5 6.9 0 top
kibuzzard-658C3FF8#14  G***  [kibuzzard-658C3FF8]  68.5 79.9 0 top
kibuzzard-658C3FF8#15  G***  [kibuzzard-658C3FF8]  68.5 25.15 0 top
kibuzzard-658C3FF8#16  G***  [kibuzzard-658C3FF8]  30.5 25.15 0 top
kibuzzard-658C3FF8#17  G***  [kibuzzard-658C3FF8]  13.5 43.4 0 top
kibuzzard-658C3FF8#18  G***  [kibuzzard-658C3FF8]  30.5 79.9 0 top
kibuzzard-658C3FF8#19  G***  [kibuzzard-658C3FF8]  30.5 6.9 0 top
kibuzzard-658C3FF8#20  G***  [kibuzzard-658C3FF8]  30.5 61.65 0 top
kibuzzard-658C2757  G***  [kibuzzard-658C2757]  13.5 87.25 180 bottom
kibuzzard-658C2757#2  G***  [kibuzzard-658C2757]  30.5 32.5 180 bottom
kibuzzard-658C2757#3  G***  [kibuzzard-658C2757]  68.5 14.25 180 bottom
kibuzzard-658C2757#4  G***  [kibuzzard-658C2757]  30.5 14.25 180 bottom
kibuzzard-658C2757#5  G***  [kibuzzard-658C2757]  68.5 69 180 bottom
kibuzzard-658C2757#6  G***  [kibuzzard-658C2757]  30.5 87.25 180 bottom
kibuzzard-658C2757#7  G***  [kibuzzard-658C2757]  51.5 69 180 bottom
kibuzzard-658C2757#8  G***  [kibuzzard-658C2757]  51.5 87.25 180 bottom
kibuzzard-658C2757#9  G***  [kibuzzard-658C2757]  13.5 32.5 180 bottom
kibuzzard-658C2757#10  G***  [kibuzzard-658C2757]  13.5 50.75 180 bottom
kibuzzard-658C2757#11  G***  [kibuzzard-658C2757]  51.5 14.25 180 bottom
kibuzzard-658C2757#12  G***  [kibuzzard-658C2757]  51.5 32.5 180 bottom
kibuzzard-658C2757#13  G***  [kibuzzard-658C2757]  68.5 87.25 180 bottom
kibuzzard-658C2757#14  G***  [kibuzzard-658C2757]  51.5 50.75 180 bottom
kibuzzard-658C2757#15  G***  [kibuzzard-658C2757]  13.5 14.25 180 bottom
kibuzzard-658C2757#16  G***  [kibuzzard-658C2757]  68.5 50.75 180 bottom
kibuzzard-658C2757#17  G***  [kibuzzard-658C2757]  68.5 32.5 180 bottom
kibuzzard-658C2757#18  G***  [kibuzzard-658C2757]  30.5 69 180 bottom
kibuzzard-658C2757#19  G***  [kibuzzard-658C2757]  13.5 69 180 bottom
kibuzzard-658C2757#20  G***  [kibuzzard-658C2757]  30.5 50.75 180 bottom
KiKit_MB_1_1  -  [NPTH]  5.7 84.63 0 top
KiKit_MB_1_2  -  [NPTH]  5.7 85.46 0 top
KiKit_MB_1_3  -  [NPTH]  5.7 86.29 0 top
KiKit_MB_1_4  -  [NPTH]  5.7 87.13 0 top
KiKit_MB_1_5  -  [NPTH]  5.7 87.96 0 top
KiKit_MB_1_6  -  [NPTH]  5.7 88.79 0 top
KiKit_MB_1_7  -  [NPTH]  5.7 89.63 0 top
KiKit_MB_2_1  -  [NPTH]  21.3 89.63 0 top
KiKit_MB_2_2  -  [NPTH]  21.3 88.79 0 top
KiKit_MB_2_3  -  [NPTH]  21.3 87.96 0 top
KiKit_MB_2_4  -  [NPTH]  21.3 87.13 0 top
KiKit_MB_2_5  -  [NPTH]  21.3 86.29 0 top
KiKit_MB_2_6  -  [NPTH]  21.3 85.46 0 top
KiKit_MB_2_7  -  [NPTH]  21.3 84.63 0 top
KiKit_MB_3_1  -  [NPTH]  22.7 84.63 0 top
KiKit_MB_3_2  -  [NPTH]  22.7 85.46 0 top
KiKit_MB_3_3  -  [NPTH]  22.7 86.29 0 top
KiKit_MB_3_4  -  [NPTH]  22.7 87.13 0 top
KiKit_MB_3_5  -  [NPTH]  22.7 87.96 0 top
KiKit_MB_3_6  -  [NPTH]  22.7 88.79 0 top
KiKit_MB_3_7  -  [NPTH]  22.7 89.63 0 top
KiKit_MB_4_1  -  [NPTH]  38.3 89.63 0 top
KiKit_MB_4_2  -  [NPTH]  38.3 88.79 0 top
KiKit_MB_4_3  -  [NPTH]  38.3 87.96 0 top
KiKit_MB_4_4  -  [NPTH]  38.3 87.13 0 top
KiKit_MB_4_5  -  [NPTH]  38.3 86.29 0 top
KiKit_MB_4_6  -  [NPTH]  38.3 85.46 0 top
KiKit_MB_4_7  -  [NPTH]  38.3 84.63 0 top
KiKit_MB_5_1  -  [NPTH]  43.7 84.63 0 top
KiKit_MB_5_2  -  [NPTH]  43.7 85.46 0 top
KiKit_MB_5_3  -  [NPTH]  43.7 86.29 0 top
KiKit_MB_5_4  -  [NPTH]  43.7 87.13 0 top
KiKit_MB_5_5  -  [NPTH]  43.7 87.96 0 top
KiKit_MB_5_6  -  [NPTH]  43.7 88.79 0 top
KiKit_MB_5_7  -  [NPTH]  43.7 89.63 0 top
KiKit_MB_6_1  -  [NPTH]  59.3 89.63 0 top
KiKit_MB_6_2  -  [NPTH]  59.3 88.79 0 top
KiKit_MB_6_3  -  [NPTH]  59.3 87.96 0 top
KiKit_MB_6_4  -  [NPTH]  59.3 87.13 0 top
KiKit_MB_6_5  -  [NPTH]  59.3 86.29 0 top
KiKit_MB_6_6  -  [NPTH]  59.3 85.46 0 top
KiKit_MB_6_7  -  [NPTH]  59.3 84.63 0 top
KiKit_MB_7_1  -  [NPTH]  60.7 84.63 0 top
KiKit_MB_7_2  -  [NPTH]  60.7 85.46 0 top
KiKit_MB_7_3  -  [NPTH]  60.7 86.29 0 top
KiKit_MB_7_4  -  [NPTH]  60.7 87.13 0 top
KiKit_MB_7_5  -  [NPTH]  60.7 87.96 0 top
KiKit_MB_7_6  -  [NPTH]  60.7 88.79 0 top
KiKit_MB_7_7  -  [NPTH]  60.7 89.63 0 top
KiKit_MB_8_1  -  [NPTH]  76.3 89.63 0 top
KiKit_MB_8_2  -  [NPTH]  76.3 88.79 0 top
